# Altium PCB design.PcbDoc (part 3 of 4)
Units mil, origin at the board's own origin, x right, y up, seen from the top; angles counter-clockwise.
Board outline 4704.72 x 3503.94 mil, 6 copper layers (Top, GND, S3, S14, Power, Bottom), stack 57.09 mil thick; 326 components, 365 nets, 1536 pads, 493 vias.
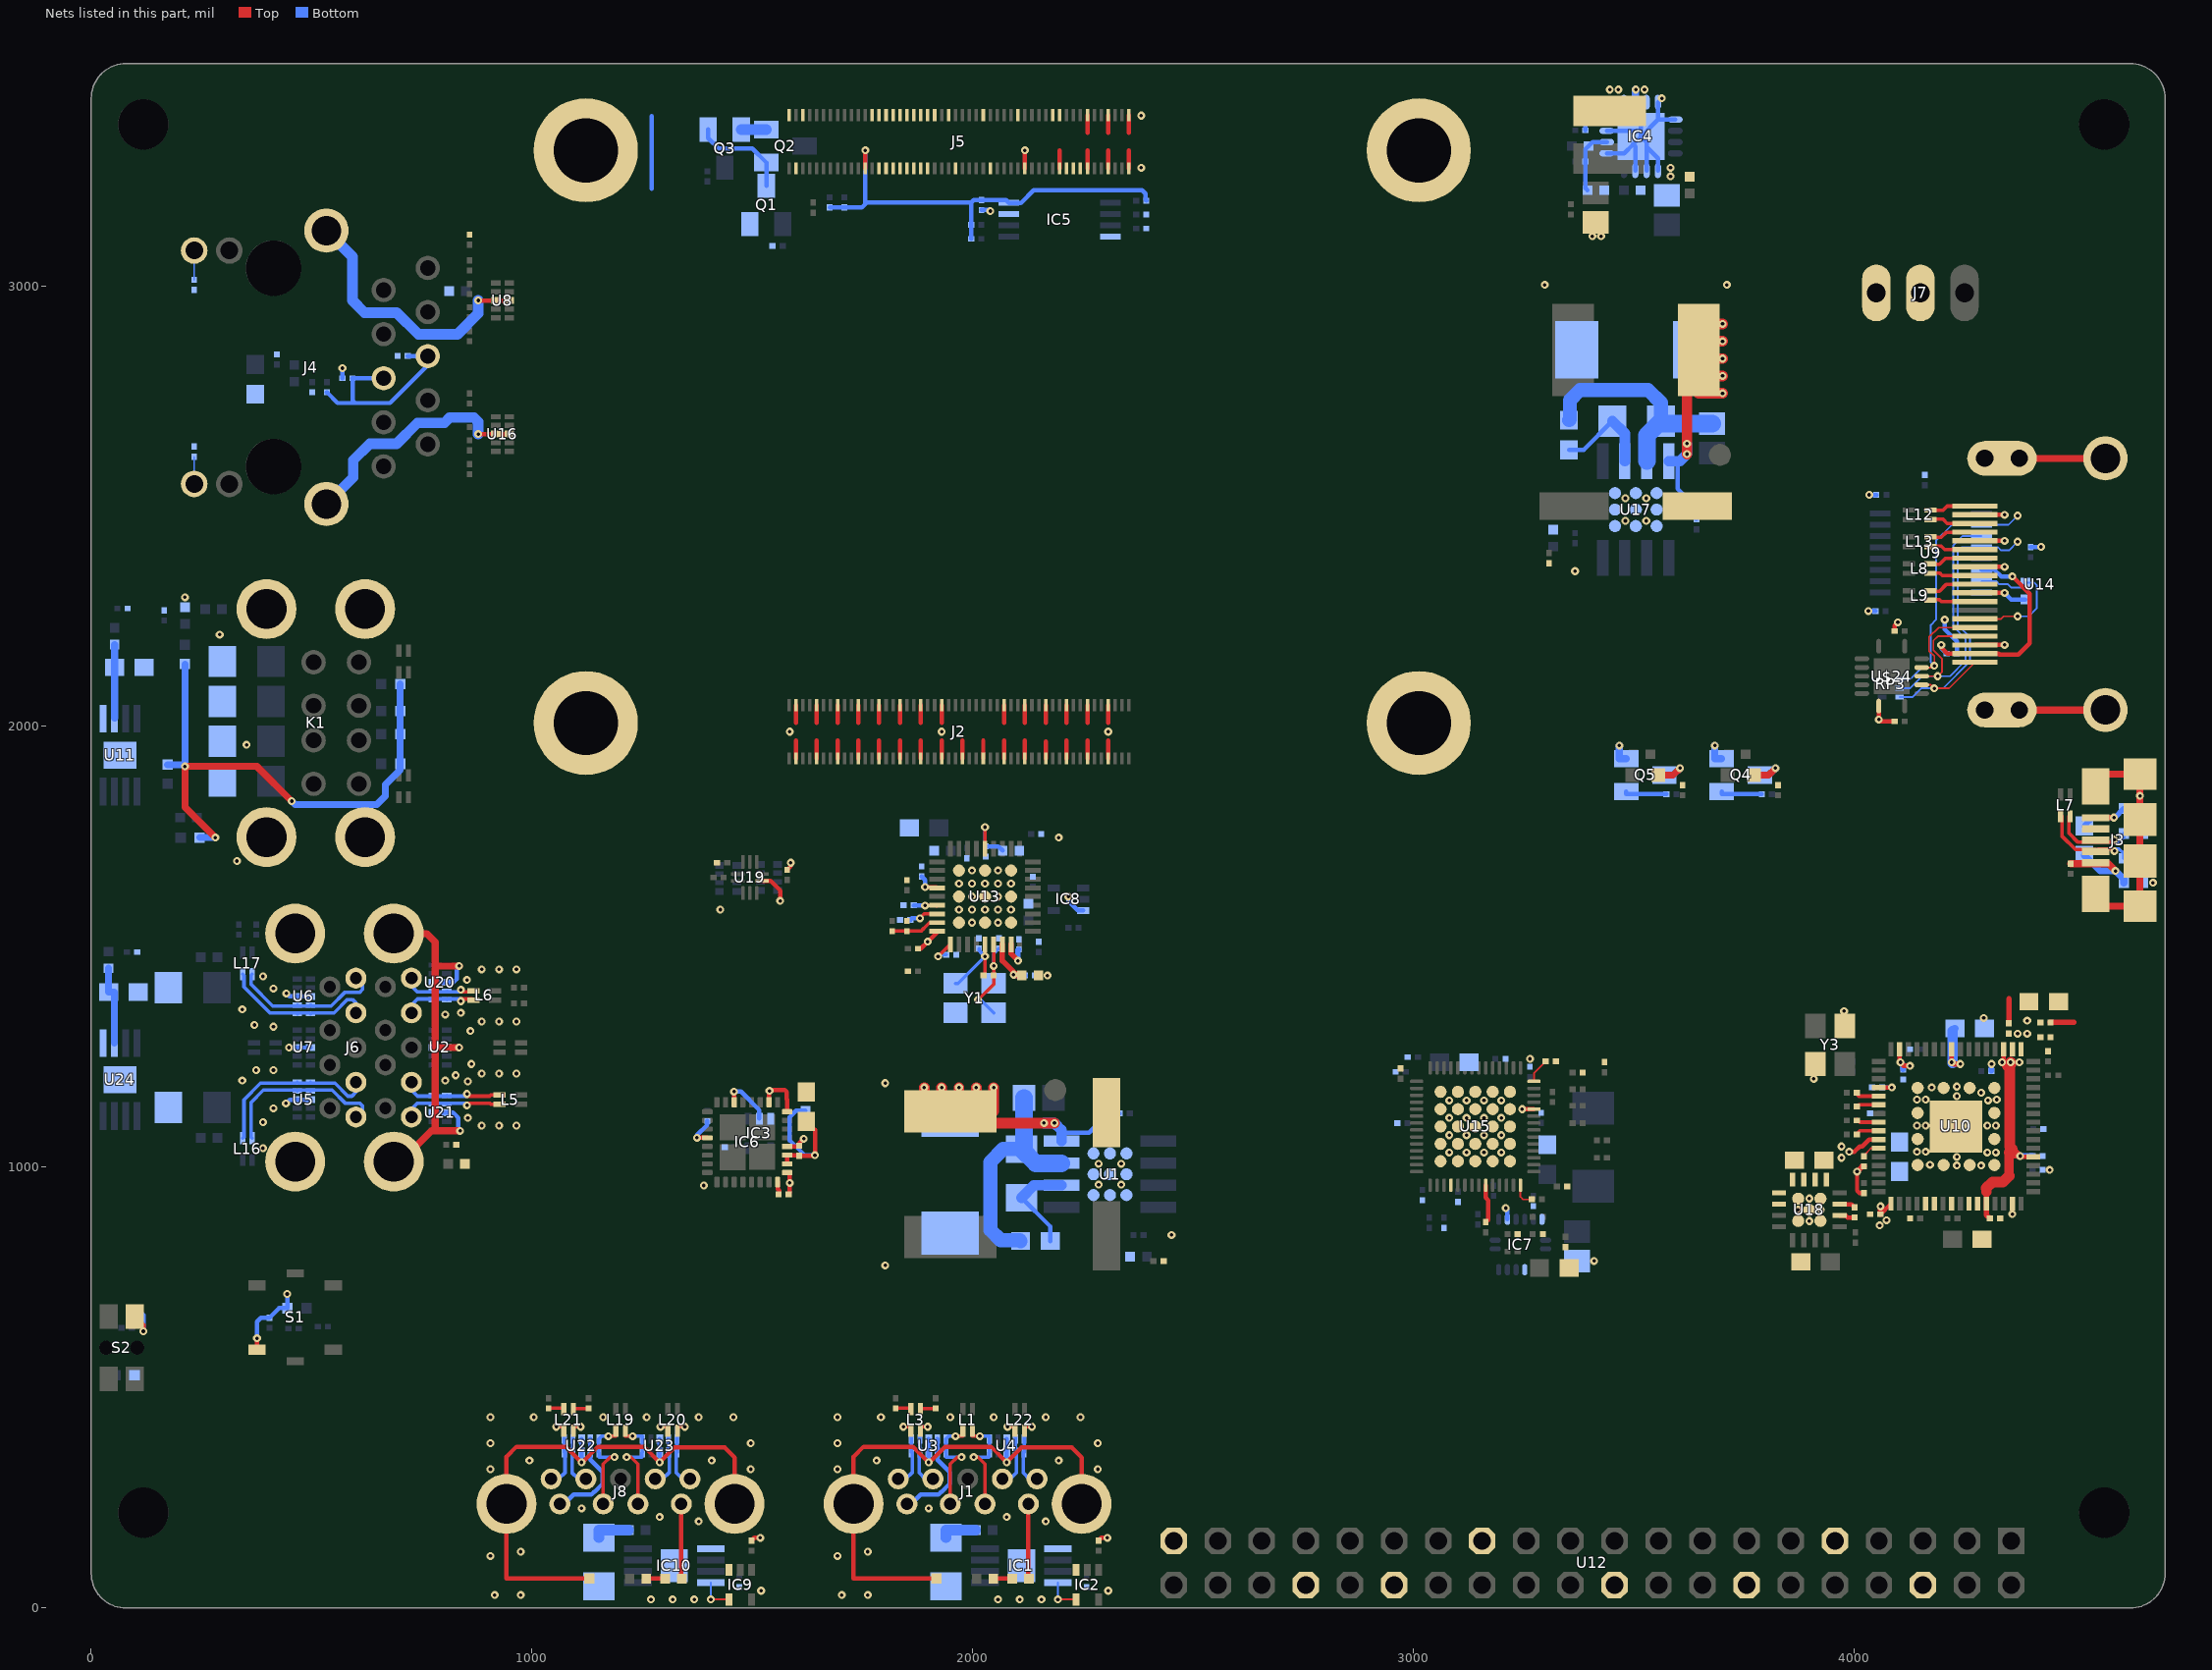
[diagram p5: the nets of this part, all layers, seen from the top]

## Via types
v1: diameter 18/18/18/18/18/18 (per signal layer), hole 8, Top to Bottom, 493 vias

## Nets (pads, with @x,y where several pads share a name; then routed paths per layer and width w, separated by ;. In a path a pad name is that pad's centre, name@x,y a point inside that pad or via, vN(x,y) a via of type N, cw(c..) or ccw(c..) an arc to the next point about the centre after c; other vN are vias at no path point) (continued)
COMMON_SHIELD: D2.P1 D3.P1 D4.P1 D5.P1 D6.P1 D7.P1 D9.P1 D10.P1 D11.P1 D12.P1 D15.P1 D16.P1 D17.P1 J1.SH1 J1.SH2 J3.COMMON_SHEILD1 J3.COMMON_SHEILD2 J3.COMMON_SHEILD3 J3.COMMON_SHEILD4 J3.COMMON_SHEILD5 J3.COMMON_SHEILD6 J4.15 J4.16 J6.S1 J6.S2 J6.S3 J6.S4 J8.SH1 J8.SH2 U2.3 U2.8 U3.3 U3.8 U4.3 U4.8 U5.3 U5.8 U6.3 U6.8 U7.3 U7.8 U8.3 U8.8 U14.G1 U14.G2 U14.G3 U14.G4 U16.3 U16.8 U20.3 U20.8 U21.3 U21.8 U22.3 U22.8 U23.3 U23.8 | length 7144.7
  Top w10: v1(877.95,2663.39) U16.8@948.23,2663.39 ; v1(877.95,2966.54) U8.8@948.23,2966.54 ; D16.P1@1129.92,66.93 942.13,66.93 942.13,343.7 964.57,366.14 1076.77,366.14 v1(1112.2,330.71) 1114.17,330.71 1149.61,366.14 1253.94,366.14 v1(1289.37,330.71) 1322.83,364.17 1437.01,364.17 1459.45,341.73 J8.SH2@1459.45,236.22 ; D17.P1@1917.33,66.93 1729.53,66.93 1729.53,343.7 1751.97,366.14 1864.17,366.14 v1(1899.61,330.71) 1901.57,330.71 1937.01,366.14 2041.34,366.14 v1(2076.77,330.71) 2110.24,364.17 2224.41,364.17 2246.85,341.73 J1.SH2@2246.85,236.22
  Top w16: v1(281.5,1748.03) 212.6,1816.93 v1(212.6,1909.45) 375.98,1909.45 v1(454.72,1830.71) ; J6.S4@686.22,1012.99 701.97,1012.99 771.65,1082.68 775.59,1082.68 ; J6.S3@686.22,1530.31 761.02,1530.32 780.12,1511.22 780.12,1456.69 ; v1(834.65,1271.65) 780.12,1271.65 ; v1(834.65,1456.69) 780.12,1456.69 ; v1(836.61,1082.68) 775.59,1082.68 ; U14.G4@4374.02,2037.4 U14.G1@4569.3,2037.4 ; U14.G3@4374.02,2608.26 U14.G2@4569.3,2608.26 ; J3.COMMON_SHEILD1@4547.24,1620.08 4547.24,1592.52 J3.COMMON_SHEILD3@4647.63,1592.52 v1(4647.64,1842.52) J3.COMMON_SHEILD6@4647.63,1891.74 4547.24,1891.73 J3.COMMON_SHEILD2@4547.24,1864.18 ; 775.59,1082.68 778.94,1086.02 780.12,1086.02 780.12,1271.65 ; 780.12,1271.65 780.12,1456.69
  Bottom w10: v1(441.73,1144.88) 450.39,1153.54 U5.8@497.44,1153.54 ; v1(442.52,1394.49) 449.21,1387.8 U6.3@497.44,1387.8 ; v1(448.82,1271.65) U7.3@497.44,1271.65 ; U21.3@776.18,1124.02 820.87,1124.02 832.68,1112.2 832.68,1086.61 v1(836.61,1082.68) ; U2.3@776.18,1271.65 v1(834.65,1271.65) ; U20.3@776.18,1419.29 820.87,1419.29 828.74,1427.17 828.74,1450.79 v1(834.65,1456.69) ; v1(1112.2,330.71) U22.8@1112.2,383.27 ; v1(1289.37,330.71) U23.8@1289.37,383.27 ; v1(1899.61,330.71) U3.8@1899.61,383.27 ; v1(2076.77,330.71) U4.8@2076.77,383.27
  Bottom w16: D7.P1@173.23,1913.38 208.66,1913.39 v1(212.6,1909.45) D4.P1@212.6,2141.74 ; D3.P1@246.06,1748.03 v1(281.5,1748.03) ; v1(454.72,1830.71) 462.6,1822.83 647.64,1822.83 667.32,1842.52 667.32,1868.11 700.79,1901.57 D5.P1@700.78,2096.46
  Bottom w24: J4.15@533.47,2504.92 534.45,2504.92 594.49,2564.96 594.49,2604.33 631.89,2641.73 692.91,2641.73 740.16,2688.98 801.18,2688.98 812.99,2700.79 868.11,2700.79 877.95,2690.94 v1(877.95,2663.39) ; J4.16@533.47,3125 592.52,3065.94 592.52,2966.54 620.08,2938.98 692.91,2938.98 742.13,2889.76 830.71,2889.76 877.95,2937.01 v1(877.95,2966.54)
  other v1: 4677.17,1645.67
CON_5V0$12: C94.1 U9.6 U14.18 | length 492.4
  Top w10: v1(4196.85,2185.04) 4196.85,2179.13 4210.63,2165.35 U14.18@4273.23,2165.35 4326.77,2165.35 4328.74,2163.39 4372.05,2163.39 4397.64,2188.98 4397.64,2301.18 v1(4358.27,2340.55)
  Bottom w10: v1(4196.85,2185.04) 4196.85,2177.48 C94.1@4208.97,2165.35 ; U9.6@4288.39,2355.31 4317.91,2355.32 4332.68,2340.55 v1(4358.27,2340.55)
CT0$4: C88.1 C90.1 J4.5 J4.6 R41.1 | length 471.6
  Bottom w10: R41.1@534.73,2758.27 R41.1@534.65,2758.19 558.97,2733.86 599.21,2733.86 ; C88.1@592.21,2789.76 C88.1@592.6,2790.16 ; J4.6@663.39,2790.16 C88.1@592.6,2790.16 ; C90.1@718.19,2840.55 762.99,2840.55 J4.5@763.39,2840.16 764.17,2839.37 764.17,2820.08 677.95,2733.86 599.21,2733.86 ; C88.1@592.6,2790.16 592.6,2740.47 599.21,2733.86
D_N$11: D10.P2 J3.P2 L7.1 | length 232.9
  Top w7.87: L7.1@4467.52,1796.26 4470.47,1796.26 4470.47,1751.66 4500.68,1721.46 4547.24,1721.46 J3.P2@4547.24,1720.39 ; J3.P2@4547.24,1716.54 4553.15,1722.44 4589.76,1722.44 v1(4589.76,1717.38)
  Top w10: J3.P2@4547.24,1716.54 J3.P2@4547.24,1720.39
  Bottom w7.87: v1(4589.76,1717.38) 4589.76,1722.44 4600.39,1722.44 4611.02,1711.81 D10.P2@4611.03,1701.38
D_P$11: D9.P2 J3.P3 L7.4 | length 204.1
  Top w7.87: L7.4@4489.18,1796.26 4486.22,1796.26 4486.22,1758.18 4507.2,1737.2 4547.24,1737.2 J3.P3@4547.24,1738.27 ; J3.P3@4547.24,1742.13 4551.18,1738.19 4589.76,1738.19 v1(4589.76,1743.25)
  Top w10: J3.P3@4547.24,1738.27 J3.P3@4547.24,1742.13
  Bottom w7.87: v1(4589.76,1743.25) 4589.76,1738.19 4600.39,1738.19 4611.02,1748.82 D9.P2@4611.03,1757.28
DDC_SCL$12: RP3.6 U9.2 U14.15 U$24.12 | length 805
  Top w4: U$24.12@4152.56,2133.86 4177.17,2133.86 v1(4181.1,2137.8) 4181.1,2159.45 4169.29,2171.26 4169.29,2202.76 4190.94,2224.41 U14.15@4273.23,2224.4
  Bottom w4: RP3.6@4102.37,2106.3 4125.98,2106.3 4153.54,2133.86 4177.17,2133.86 v1(4181.1,2137.8) 4173.23,2145.67 4173.23,2230.32 4185.04,2242.13 4185.04,2421.26 4221.46,2457.68 U9.2@4288.39,2457.68 4349.41,2457.68 v1(4370.08,2478.35)
DDC_SDA$12: RP3.7 U9.3 U14.16 U$24.11 | length 749
  Top w4: U$24.11@4152.56,2114.17 v1(4188.98,2114.17) 4198.82,2124.02 4198.82,2153.54 4179.13,2173.23 4179.13,2194.88 4188.98,2204.72 U14.16@4273.23,2204.72
  Bottom w4: RP3.7@4102.37,2086.62 4125.98,2086.61 4153.54,2114.17 v1(4188.98,2114.17) 4216.54,2114.17 4251.97,2149.61 4251.97,2198.82 4224.41,2226.38 4224.41,2411.42 4245.08,2432.09 U9.3@4288.39,2432.09
DS_LOAD$14: Q2.2 Q3.2 | length 57.1
  Bottom w24: Q3.2@1474.41,3354.33 Q2.2@1531.49,3354.33
DS_LOAD_1V8$14: 
EEPROM_!WP: J5.20
ETH_SYNC_IN: J5.16
ETH_SYNC_OUT: J5.18
FB_3.3$3: C93.2 IC4.10 R19.1 R22.2 | length 150.3
  Bottom w10: R22.2@3394.39,3216.54 3389.45,3221.47 C93.2@3389.45,3281.5 3389.45,3309.43 R19.1@3396.95,3316.93 3405.81,3325.79 IC4.10@3437.99,3325.78
FRAME$21: J7.1
FTDI_3.3_INT$1: C82.1 IC6.16 | length 30.8
  Top w10: IC6.16@1557.09,966.54 1557.09,950.79 1561.02,946.85 1561.02,938.98 C82.1@1559.37,938.98
GATE$9: Q4.1 R26.2 | length 96.8
  Bottom w10: Q4.1@3698.82,1852.36 3698.82,1846.46 R26.2@3789.68,1846.46
GATE$10: Q5.1 R40.2 | length 96.8
  Bottom w10: Q5.1@3482.28,1852.36 3482.28,1846.46 R40.2@3573.15,1846.46
GLOBAL_EN: J5.99
GND: C1.2 C2.2 C3.2 C4.2 C7.2 C12.2 C13.2 C14.2 C15.2 C16.2 C17.2 C18.2 C19.2 C20.2 C21.2 C22.2 C23.2 C24.2 C25.2 C26.2 C27.2 C28.2 C29.2 C30.2 C31.2 C32.2 C33.2 C34.2 C41.2 C42.2 C43.2 C44.2 C45.2 C46.2 C63.2 C64.2 C65.2 C66.2 C78.2 C79.- C80.2 C81.2 C82.2 C83.2 C84.2 C85.2 C86.2 C87.2 C88.2 C89.2 C90.2 C91.2 C92.2 C94.2 C95.2 C158.2 C167.2 C255.2 C256.2 C257.2 C258.2 C259.2 C260.2 C261.2 C262.2 C264.2 C265.2 C266.2 C267.2 C268.2 C269.2 C270.2 C271.2 C272.2 C274.2 C275.2 C276.2 C277.2 C278.2 C279.2 C280.2 C281.2 C282.2 C283.2 C284.2 C286.2 C287.2 C288.2 C289.2 C290.2 C291.2 C292.2 C293.2 C297.2 C298.2 C299.2 C300.2 C301.2 C302.2 C304.2 C305.2 C306.2 C307.2 C308.2 C309.2 C310.2 C313.2 C314.2 C316.2 C317.- C318.2 C319.2 D1.P1 D12.P2 D14.A D18.A D19.P1 FB2.1 FB3.1 FB12.1 FB15.1 FB19.1 FB20.1 IC1.1 IC1.TP IC2.3 IC3.3 IC4.1 IC4.5 IC4.6 IC4.7 IC4.9 IC4.11 IC4.12 IC4.16 IC4.P$1 IC5.4 IC5.7 IC6.4 IC6.17 IC6.20 IC6.24 IC6.26 IC7.2 IC7.6 IC7.11 IC8.3 IC9.3 IC10.1 IC10.TP J2.7 J2.8 J2.13 J2.14 J2.19 J2.20 J2.25 J2.26 J2.31 J2.32 J2.37 J2.38 J2.44 J2.50 J2.55 J2.56 J2.61 J2.62 J2.67 J2.68 J2.73 J2.74 J2.79 J2.80 J2.85 J2.86 J2.91 J2.92 J2.97 J2.98 J3.P5 J5.1 J5.2 J5.7 J5.8 J5.13 J5.14 J5.22 J5.23 J5.32 J5.33 J5.42 J5.43 J5.52 J5.53 J5.59 J5.60 J5.65 J5.66 J5.71 J5.74 J5.98 J7.2 K1.5 K1.6 K1.7 K1.8 MP1.1 MP2.1 MP3.1 MP4.1 Q1.2 Q4.2 Q5.2 R4.1 R5.1 R6.1 R7.1 R8.1 R10.1 R11.1 R16.1 R17.2 R22.1 R24.1 R25.1 R28.1 R30.1 R32.1 R38.1 R43.1 R51.1 R52.1 R53.1 R61.2 S1.A@1 S2.A@1 U1.6 U1.9 U1.PWRPAD1 U1.PWRPAD2 U1.PWRPAD3 U1.PWRPAD4 U1.PWRPAD5 U1.PWRPAD6 U1.PWRPAD7 U1.PWRPAD8 U9.8 U10.15 U10.65 U10.EPAD1 U10.EPAD2 U10.EPAD3 U10.EPAD4 U10.EPAD5 U10.EPAD6 U10.EPAD7 U10.EPAD8 U10.EPAD9 U10.EPAD10 U10.EPAD11 U10.EPAD12 U11.1 U11.TP U12.6 U12.9 U12.14 U12.20 U12.25 U12.30 U12.34 U12.39 U13.EPAD U13.EXP1 U13.EXP2 U13.EXP3 U13.EXP4 U13.EXP5 U13.EXP6 U13.EXP7 U13.EXP8 U14.2 U14.5 U14.8 U14.11 U14.17 U15.52 U15.P$1 U15.P$2 U15.P$3 U15.P$4 U15.P$5 U15.P$6 U15.P$7 U15.P$8 U15.P$9 U15.P$10 U15.P$11 U15.P$12 U15.P$13 U15.P$14 U15.P$15 U15.P$16 U15.P$17 U15.P$18 U15.P$19 U15.P$20 U15.P$21 U15.P$22 U15.P$23 U15.P$24 U15.P$25 U17.6 U17.9 U17.PWRPAD1 U17.PWRPAD2 U17.PWRPAD3 U17.PWRPAD4 U17.PWRPAD5 U17.PWRPAD6 U17.PWRPAD7 U17.PWRPAD8 U18.6 U18.EP U18.EP1 U18.EP2 U18.EP3 U18.EP4 U19.6 U24.1 U24.TP U$24.7 Y1.2 Y1.4 Y3.2 Y3.4 | length 4668
  Top w10: 375.98,586.61 v1(375.98,612.2) ; FB20.1@1259.16,66.93 FB19.1@1301.87,66.93 ; v1(1374.02,1066.93) IC6.4@1397.64,1066.93 ; C308.2@1498.03,153.23 1504.25,159.45 v1(1517.72,159.45) ; U19.6@1521.65,1649.61 1541.34,1649.61 1562.99,1627.95 v1(1562.99,1604.33) ; IC6.26@1537.4,1147.64 1537.4,1169.29 1543.31,1175.2 1573.62,1175.2 1577.95,1170.87 1577.95,1154.72 1578.74,1153.94 IC6.24@1578.74,1125.99 ; IC6.17@1578.74,988.19 1584.65,982.28 v1(1584.65,964.57) 1584.65,942.32 1582.37,940.04 C82.2@1582.37,938.98 ; IC6.20@1578.74,1047.25 1604.64,1047.24 C84.2@1606.3,1048.9 1606.3,1055.12 v1(1616.14,1064.96) ; R38.1@1578.74,1674.89 1586.61,1682.76 v1(1586.61,1690.94) ; J2.98@1598.42,1927.56 1598.43,1968.5 ; 1598.43,2007.87 J2.97@1598.42,2048.82 ; J2.92@1645.67,1927.56 1645.67,1968.5 ; 1645.67,2007.87 J2.91@1645.67,2048.82 ; J2.86@1692.91,1927.56 1692.91,1968.5 ; 1692.91,2007.87 J2.85@1692.91,2048.82 ; J2.80@1740.15,1927.56 1740.16,1968.5 ; 1740.16,2007.87 J2.79@1740.15,2048.82 ; J2.74@1787.4,1927.56 1787.4,1968.5 ; 1787.4,2007.87 J2.73@1787.4,2048.82 ; J2.68@1834.64,1927.56 1834.65,1968.5 ; 1834.65,2007.87 J2.67@1834.64,2048.82 ; J2.62@1881.89,1927.56 1881.89,1968.5 ; 1881.89,2007.87 J2.61@1881.89,2048.82 ; J2.56@1929.13,1927.56 1929.13,1968.5 ; 1929.13,2007.87 J2.55@1929.13,2048.82 ; J2.50@1976.37,1927.56 1976.38,1968.5 ; J2.44@2023.62,1927.56 2023.62,1968.5 ; FB3.1@2046.56,66.93 FB2.1@2089.27,66.93 ; J2.38@2070.86,1927.56 2070.87,1968.5 ; 2070.87,2007.87 J2.37@2070.86,2048.82 ; J2.32@2118.11,1927.56 2118.11,1968.5 ; 2118.11,2007.87 J2.31@2118.11,2048.82 ; J5.32@2118.11,3266.14 v1(2118.11,3307.09) ; J2.26@2165.35,1927.56 2165.35,1966.54 ; 2165.35,2007.87 J2.25@2165.35,2048.82 ; J5.22@2196.85,3266.14 2196.85,3307.09 ; J2.20@2212.59,1927.56 2212.6,1968.5 ; 2212.6,2007.87 J2.19@2212.59,2048.82 ; J2.14@2259.84,1927.56 2259.84,1968.5 ; 2259.84,2007.87 J2.13@2259.84,2048.82 ; J5.14@2259.84,3266.14 2259.84,3307.09 ; 2259.84,3346.46 J5.13@2259.84,3387.4 ; C4.2@2285.43,153.23 2291.65,159.45 v1(2305.12,159.45) ; J2.8@2307.08,1927.56 2307.09,1968.5 ; 2307.09,2007.87 J2.7@2307.08,2048.82 ; J5.8@2307.08,3266.14 2307.09,3307.09 ; 2307.09,3346.46 J5.7@2307.08,3387.4 ; J5.2@2354.33,3266.14 2354.33,3307.09 ; 2354.33,3346.46 J5.1@2354.33,3387.4 ; v1(3246.06,1131.89) U15.52@3272.83,1131.89 ; U18.6@3966.54,890.75 3967.52,889.76 3980.32,889.76 3983.94,886.14 C270.2@4000,886.14 ; v1(4005.91,990.16) 4005.91,946.85 4011.5,941.26 C41.2@4021.65,941.26 ; U$24.7@4055.12,2046.26 v1(4055.12,2015.75) 4059.06,2011.81 C95.2@4090.86,2011.81 ; C259.2@4090.86,2216.54 4090.86,2228.66 v1(4098.43,2236.22) ; U14.17@4273.23,2185.03 v1(4340.55,2185.04) ; U14.11@4273.23,2303.15 v1(4340.55,2303.15) ; U14.8@4273.23,2362.2 v1(4340.55,2362.2) ; U14.5@4273.23,2421.26 v1(4340.55,2421.26) ; U14.2@4273.23,2480.31 v1(4340.55,2480.32)
  Top w12: 98.43,661.42 118.11,641.73 v1(118.11,627.95) ; J3.P5@4547.24,1793.31 v1(4588.58,1793.31)
  Top w12.32: v1(4005.91,990.16) 4018.03,1002.28 R32.1@4021.65,1002.28 ; C281.2@4350.39,1326.46 4350.39,1381.89 ; C288.2@4444.57,1328.74 4498.03,1328.74
  Bottom w10: v1(375.98,612.2) 375.98,649.61 385.12,658.74 C1.2@404.33,658.74 425.9,680.32 D1.P1@445.28,680.32 445.28,711.81 v1(444.49,712.6) ; C88.2@569.6,2790.16 569.6,2812.91 v1(569.68,2812.99) ; v1(1374.02,1066.93) 1374.02,1072.83 1397.64,1096.46 C80.2@1397.64,1104.64 ; C260.2@2019.69,3171.57 2037.09,3171.57 v1(2039.37,3169.29) ; C13.2@2110.24,931.1 2175.2,866.14 C30.2@2175.19,832.68 ; v1(2216.54,1614.17) 2216.54,1604.33 2238.19,1582.68 IC8.3@2250,1582.68 ; v1(3208.66,907.48) 3212.6,903.54 IC7.2@3212.6,881.89 ; C255.2@3352.36,2627.96 3385.83,2627.95 C262.2@3450.79,2692.91 ; IC4.9@3437.99,3300.19 3477.36,3300.2 IC4.P$1@3498.03,3320.87 ; IC4.11@3437.99,3351.38 IC4.P$1@3515.75,3351.38 ; IC4.12@3437.99,3376.97 3515.75,3376.97 IC4.P$1@3515.75,3351.38 ; IC4.7@3502.95,3260.82 3502.95,3315.94 IC4.P$1@3498.03,3320.87 ; IC4.6@3528.54,3260.83 IC4.P$1@3528.54,3314.96 ; IC4.5@3554.14,3260.82 3554.13,3289.37 IC4.P$1@3528.54,3314.96 ; IC4.16@3554.14,3416.34 IC4.P$1@3554.13,3376.97 ; IC4.1@3593.51,3376.97 IC4.P$1@3554.13,3376.97 ; v1(4031.5,2261.81) C261.2@4047.56,2261.81 ; v1(4033.46,2525.59) C257.2@4049.52,2525.59 ; v1(4204.72,2242.13) 4204.72,2220.47 4232.28,2192.91 4232.28,2165.67 C94.2@4231.97,2165.35 ; v1(4340.55,2303.15) 4355.61,2288.09 R43.1@4387.8,2288.09 ; C258.2@4399.61,2407.17 4399.92,2407.48 v1(4423.23,2407.48) ; D12.P2@4609.25,1813.98 D12.P2@4611.03,1813.98 ; IC4.P$1@3498.03,3320.87 IC4.P$1@3515.75,3338.58 ; IC4.P$1@3515.75,3338.58 IC4.P$1@3515.75,3351.38 ; IC4.P$1@3515.75,3338.58 3528.54,3325.79 IC4.P$1@3528.54,3314.96 ; IC4.P$1@3515.75,3338.58 IC4.P$1@3554.13,3376.97
  Bottom w12: C319.2@111.5,670.47 118.11,663.86 v1(118.11,627.95) ; C89.2@4521.65,1774.6 4540.35,1793.31 v1(4588.58,1793.31) 4590.35,1793.31 D12.P2@4611.03,1813.98
  Bottom w12.32: C286.2@4310.71,1218.5 4310.71,1233.94 v1(4311.02,1234.25)
  Bottom w16: v1(3466.54,1956.69) 3466.54,1927.17 Q5.2@3482.28,1927.16 ; v1(3683.07,1956.69) 3683.07,1927.17 Q4.2@3698.82,1927.16
  Bottom w24: C13.2@2110.24,931.1 2138.39,959.25 U1.6@2201.18,959.25 ; C262.2@3450.79,2692.91 3478.94,2664.76 U17.6@3478.94,2601.97
  other v1: 1269.69,19.69 1318.9,19.69 1368.11,19.69 2057.09,19.69 2106.3,19.69 2155.51,19.69 915.35,29.53 974.41,29.53 1702.76,29.53 1761.81,29.53 1519.69,39.37 2307.09,39.37 905.51,118.11 1692.91,118.11 974.41,127.95 1761.81,127.95 1377.95,196.85 2165.35,196.85 1289.37,206.69 2076.77,206.69 1112.2,226.38 1899.61,226.38 905.51,314.96 1496.06,314.96 1692.91,314.96 2283.46,314.96 994.09,334.65 1407.48,334.65 1781.5,334.65 2194.88,334.65 905.51,374.02 1496.06,374.02 1692.91,374.02 2283.46,374.02 905.51,433.07 1003.94,433.07 1161.42,433.07 1259.84,433.07 1377.95,433.07 1456.69,433.07 1692.91,433.07 1791.34,433.07 1948.82,433.07 2047.24,433.07 2165.35,433.07 2244.09,433.07 1801.18,777.56 3409.45,787.4 2450.79,846.46 3897.64,877.95 4358.27,893.7 3872.05,903.54 3923.23,903.54 3897.64,929.13 1389.76,958.66 2285.43,960.63 2336.61,960.63 4442.91,994.09 4232.28,1003.94 4287.4,1003.94 4171.26,1005.91 2285.43,1007.87 2336.61,1007.87 4232.28,1023.62 3080.71,1033.46 3120.08,1033.46 3159.45,1033.46 3198.82,1033.46 4301.18,1033.46 4320.87,1033.46 4141.73,1035.43 4161.42,1035.43 389.76,1043.31 3080.71,1072.83 3120.08,1072.83 3159.45,1072.83 3198.82,1072.83 885.83,1094.49 925.2,1094.49 964.57,1094.49 4141.73,1094.49 4161.42,1094.49 4301.18,1094.49 4320.87,1094.49 389.76,1102.36 854.33,1112.2 3080.71,1112.2 3120.08,1112.2 3159.45,1112.2 3198.82,1112.2 413.39,1133.86 3080.71,1151.57 3120.08,1151.57 3159.45,1151.57 3198.82,1151.57 4303.15,1151.57 4141.73,1153.54 4161.42,1153.54 4322.83,1153.54 4232.28,1161.42 4287.4,1169.29 1538.58,1173.23 4175.2,1181.1 4232.28,1183.07 1801.18,1190.94 854.33,1194.88 342.52,1196.85 803.15,1196.85 3907.48,1200.79 826.77,1208.66 885.83,1212.6 925.2,1212.6 964.57,1212.6 374.02,1220.47 413.39,1220.47 862.2,1234.25 3263.78,1246.06 860.24,1309.06 413.39,1318.9 370.08,1322.83 885.83,1330.71 925.2,1330.71 964.57,1330.71 4293.31,1338.58 803.15,1346.46 838.58,1350.39 3976.38,1354.33 342.52,1358.27 413.39,1405.51 852.36,1425.2 389.76,1433.07 2169.29,1435.04 885.83,1448.82 925.2,1448.82 964.57,1448.82 1998.03,1555.12 2057.09,1555.12 1427.17,1584.65 1968.5,1584.65 1998.03,1584.65 2027.56,1584.65 2057.09,1584.65 2086.61,1584.65 1998.03,1614.17 2057.09,1614.17 1968.5,1643.7 1998.03,1643.7 2027.56,1643.7 2057.09,1643.7 2086.61,1643.7 1998.03,1673.23 2057.09,1673.23 330.71,1694.88 2194.88,1748.03 352.36,1958.66 1584.65,1988.19 1929.13,1988.19 2307.09,1988.19 291.34,2208.66 212.6,2293.31 3366.14,2352.36 3480.32,2466.54 3527.56,2466.54 3480.32,2517.72 3527.56,2517.72 3297.24,3001.97 3710.63,3001.97 3405.51,3112.2 3425.2,3112.2 3582.68,3248.03 2381.89,3267.72 3582.68,3267.72 2381.89,3385.83 3562.99,3425.2
GPIO_VREF$14: C260.1 IC5.8 J5.78 R44.2 R48.2 R54.1 R56.2 R57.2 | length 1003.9
  Top w10: J5.78@1755.9,3266.14 v1(1755.91,3307.09)
  Bottom w10: R48.2@1675.2,3177.48 R44.2@1708.66,3177.48 1708.97,3177.17 1748.03,3177.17 1755.91,3185.04 ; v1(1755.91,3307.09) 1755.91,3185.04 ; R56.2@1996.37,3106.3 R57.2@1996.37,3137.8 1996.06,3138.11 1996.06,3188.98 ; R54.1@2393.39,3192.91 2391.73,3194.57 2391.73,3208.66 2383.86,3216.54 2137.8,3216.54 2109.25,3187.99 IC5.8@2081.69,3188 2075.11,3194.57 C260.1@2019.69,3194.57 2001.66,3194.57 1996.06,3188.98 ; 1755.91,3185.04 1759.84,3188.98 1996.06,3188.98
HPD$12: RP3.8 U9.4 U14.19 U$24.10 | length 753.2
  Top w4: U$24.10@4152.56,2094.48 4173.23,2094.49 v1(4181.1,2086.61) 4214.17,2086.61 U14.19@4273.23,2145.66
  Bottom w4: RP3.8@4102.37,2066.93 4131.89,2066.93 4151.57,2086.61 v1(4181.1,2086.61) 4200.79,2086.61 4261.81,2147.64 4261.81,2202.76 4234.25,2230.32 4234.25,2397.64 4243.11,2406.5 U9.4@4288.39,2406.5 4325.79,2406.5 4332.68,2399.61 4350.39,2399.61 v1(4370.08,2419.29)
ID$11: J3.P4
LED-$9: D13.C Q4.3 | length 97.7
  Top w16: D13.C@3771.65,1889.76 3805.12,1889.76 v1(3820.87,1905.51)
  Bottom w16: Q4.3@3785.44,1889.76 3805.12,1889.76 v1(3820.87,1905.51)
LED-$10: D8.C Q5.3 | length 97.7
  Top w16: D8.C@3555.12,1889.76 3588.58,1889.76 v1(3604.33,1905.51)
  Bottom w16: Q5.3@3568.9,1889.76 3588.58,1889.76 v1(3604.33,1905.51)
LED_GREEN_N$4: J4.12 R24.2 | length 66.2
  Bottom w4: R24.2@233.46,3013.47 J4.12@233.47,3079.72
LED_YELLOW_P$4: J4.14 R25.2 | length 61.9
  Bottom w4: J4.14@233.47,2550.2 R25.2@233.46,2612.12
LOAD_GATE$14: Q1.3 Q2.1 Q3.1 | length 227.6
  Bottom w10: Q3.1@1399.61,3354.33 1399.61,3334.65 1423.23,3311.02 1500,3311.02 Q2.1@1531.49,3279.53 Q1.3@1531.5,3226.38
P1$15: 
P2$15: 
P3$15: 
P4$15: 
P5$15: 
P6$15: 
P7$15: 
P8$15: 
P9$15: 
P10$15: 
P11$15: 
P12$15: 
P13$15: 
P14$15: 
P15$15: 
P16$15: 
P17$15: 
P18$15: 
P19$15: 
P20$15: 
P21$15: 
P22$15: 
P23$15: 
P24$15: 
P25$15: 
P26$15: 
P27$15: 
P28$15: 
P29$15: 
P30$15: 
P31$15: 
P32$15: 
P33$15: 
P34$15: 
P35$15: 
P36$15: 
P37$15: 
P38$15: 
P39$15: 
P40$15: 
PCIE_RX0_N$16: C273.2 U10.57 | length 53.8
  Top w7.87: C273.2@4005.59,1074.8 4005.59,1076.46 4011.81,1082.68 U10.57@4055.11,1082.68
PCIE_RX0_P$16: C263.2 U10.56 | length 53.4
  Top w7.87: C263.2@4005.59,1108.58 C263.2@4005.59,1106.3 4007.87,1106.3 4011.81,1102.36 U10.56@4055.11,1102.36
PCIE_TX0_N$16: C253.2 U10.54 | length 51.2
  Top w7.87: C253.2@4005.59,1137.8 4005.91,1137.8 4009.84,1141.73 U10.54@4055.11,1141.73
PCIE_TX0_P$16: C254.2 U10.53 | length 54.9
  Top w7.87: C254.2@4005.59,1169.29 4005.59,1165.67 4009.84,1161.42 U10.53@4055.11,1161.42
PG_3.3$3: IC4.13 R20.1 | length 139.6
  Bottom w10: R20.1@3389.45,3352.36 3389.45,3395.36 3410.43,3416.34 IC4.13@3477.36,3416.34
PH$2: C315.2 D14.C L14.1 U17.8 | length 854.6
  Top w24: v1(3620.08,2618.11) v1(3620.08,2641.73) 3620.08,2782.7 L14.1@3646.44,2809.06 ; v1(3700.79,2755.91) 3664.96,2755.91 3646.44,2755.91 L14.1@3646.44,2795.28 ; v1(3700.79,2795.28) 3664.96,2795.28 L14.1@3646.44,2795.28 ; v1(3700.79,2834.65) 3664.96,2834.65 L14.1@3646.44,2834.65 ; v1(3700.79,2874.02) 3664.96,2874.02 L14.1@3646.44,2874.02 ; v1(3700.79,2913.39) 3664.96,2913.39 3646.44,2913.39 L14.1@3646.44,2874.02 ; L14.1@3646.44,2795.28 L14.1@3646.44,2809.06 ; L14.1@3646.44,2809.06 L14.1@3646.44,2834.65 ; L14.1@3646.44,2834.65 L14.1@3646.44,2854.33 L14.1@3646.44,2874.02
  Bottom w10: 3603.94,2601.97 3598.43,2596.46 3598.43,2539.37 3641.73,2496.06 C315.2@3641.73,2470.16
  Bottom w24: U17.8@3578.94,2601.97 3603.94,2601.97 v1(3620.08,2618.11) v1(3620.08,2641.73)
PH$24: C52.2 D18.C L2.1 U1.8 | length 854.6
  Top w24: v1(1889.76,1181.1) 1889.76,1145.27 1889.76,1126.75 L2.1@1929.13,1126.75 ; v1(1929.13,1181.1) 1929.13,1145.27 L2.1@1929.13,1126.75 ; v1(1968.5,1181.1) 1968.5,1145.27 L2.1@1968.5,1126.75 ; v1(2007.87,1181.1) 2007.87,1145.27 L2.1@2007.87,1126.75 ; v1(2047.24,1181.1) 2047.24,1145.27 2047.24,1126.75 L2.1@2007.87,1126.75 ; v1(2185.04,1100.39) v1(2161.42,1100.39) 2020.45,1100.39 L2.1@1994.09,1126.75 ; L2.1@1929.13,1126.75 L2.1@1948.82,1126.75 L2.1@1968.5,1126.75 ; L2.1@1968.5,1126.75 L2.1@1994.09,1126.75 ; L2.1@1994.09,1126.75 L2.1@2007.87,1126.75
  Bottom w10: 2201.18,1084.25 2206.69,1078.74 2263.78,1078.74 2307.09,1122.05 C52.2@2332.99,1122.05
  Bottom w24: v1(2161.42,1100.39) v1(2185.04,1100.39) 2201.18,1084.25 U1.8@2201.18,1059.25
PI_!LED_ACT: J5.21
PI_LED_!PWR: J5.95
RBIAS$19: R16.2 U15.56 | length 56.3
  Top w4: U15.56@3272.83,1194.88 3272.83,1213.47 R16.2@3299.52,1240.16
RESET_N$19: R14.1 U15.42 | length 54.7
  Top w4: U15.42@3242.12,959.45 3242.13,933.07 3248.03,927.17 R14.1@3268.03,927.17
REXT$16: R32.2 U10.59 | length 42.3
  Top w4: R32.2@4021.65,1025.28 4021.65,1027.56 4037.4,1043.31 U10.59@4055.11,1043.31
RPIBOOT_SWITCH$14:  | length 164.7
  Bottom w10: 1271.65,3220.16 1271.65,3384.84
RX_SW$1: IC3.2 IC6.30 | length 118.6
  Top w4: IC6.30@1458.66,1147.64 IC6.30@1458.66,1152.36
  Top w10: v1(1458.27,1171.65) 1458.27,1152.76 IC6.30@1458.66,1152.36
  Bottom w10: v1(1458.27,1171.65) 1474.02,1171.65 1515.75,1129.92 IC3.2@1515.75,1110.23
SD_CLK: J5.57
SD_CMD: J5.62
SD_DAT0: J5.63
SD_DAT1: J5.67
SD_DAT2: J5.69
SD_DAT3: J5.61
SD_DAT4: J5.68
SD_DAT5: J5.64
SD_DAT6: J5.72
SD_DAT7: J5.70
SD_PWR_ON: J5.75
SD_VDD_OV: J5.73
SD_WP: 
SPI_CLK$16: U10.5
SPI_DI$16: U10.8
SPI_DO$16: U10.6
SSRX1_CUTOUT$20: 
SSRX1_N$20: J6.5 L16.4 U5.4 U5.7 | length 396
  Bottom w7.87: L16.4@365.16,1065.94 362.2,1068.9 362.2,1146.74 390.66,1175.2 464.96,1175.2 466.93,1173.23 U5.4@467.12,1173.23 469.09,1175.2 495.67,1175.2 497.44,1173.43 U5.7@497.44,1173.23 497.64,1173.23 499.61,1175.2 546.34,1175.2 575.87,1145.67 608.66,1145.67 614.96,1139.37 614.96,1128.74 J6.5@600.4,1114.17
SSRX1_P$20: J6.6 L16.1 U5.5 U5.6 | length 399.9
  Bottom w7.87: L16.1@343.5,1065.94 346.46,1068.9 346.46,1153.26 384.14,1190.94 464.96,1190.94 466.93,1192.91 U5.5@467.12,1192.91 469.09,1190.94 495.67,1190.94 497.44,1192.72 U5.6@497.44,1192.91 497.64,1192.91 499.61,1190.94 552.87,1190.94 582.4,1161.42 591.34,1161.42 600.39,1170.47 J6.6@600.4,1192.91
SSRX2_CUTOUT$20: 
SSRX2_N$20: J6.14 L5.4 U21.4 U21.7 | length 237.8
  Top w7.87: v1(852.36,1140.61) 852.36,1145.67 903.54,1145.67 906.5,1142.72 L5.4@926.18,1142.71
  Bottom w7.87: J6.14@726.38,1114.17 726.38,1131.89 740.16,1145.67 774.21,1145.67 U21.4@776.18,1143.71 779.53,1143.7 781.5,1145.67 804.53,1145.67 U21.7@806.5,1143.71 807.09,1143.7 809.06,1145.67 852.36,1145.67 v1(852.36,1140.61)
SSRX2_P$20: J6.15 L5.1 U21.5 U21.6 | length 237.8
  Top w7.87: v1(852.36,1166.48) 852.36,1161.42 903.54,1161.42 906.5,1164.37 L5.1@926.18,1164.37
  Bottom w7.87: J6.15@726.38,1192.91 726.38,1175.2 740.16,1161.42 774.21,1161.42 U21.5@776.18,1163.39 779.53,1163.39 781.5,1161.42 804.53,1161.42 U21.6@806.5,1163.39 807.09,1163.39 809.06,1161.42 852.36,1161.42 v1(852.36,1166.48)
SSTX1_CUTOUT$20: 
SSTX1_N$20: J6.8 L17.4 U6.5 U6.6 | length 351.7
  Bottom w7.87: L17.4@343.5,1437.99 346.46,1435.04 346.46,1409.34 405.4,1350.39 466.14,1350.39 U6.6@467.62,1348.92 ; J6.8@600.4,1350.39 600.39,1372.83 592.52,1380.71 581.21,1380.71 550.9,1350.39 500.39,1350.39 498.62,1348.62 497.64,1348.62 U6.5@497.44,1348.43 497.24,1348.43 495.28,1350.39 469.09,1350.39 U6.6@467.62,1348.92 ; U6.6@467.62,1348.92 U6.6@467.12,1348.43 468.11,1348.43 U6.6@467.62,1348.92
SSTX1_P$20: J6.9 L17.1 U6.4 U6.7 | length 350.2
  Bottom w7.87: L17.1@365.16,1437.99 362.2,1435.04 362.2,1415.86 411.92,1366.14 466.14,1366.14 U6.7@467.62,1367.62 ; J6.9@600.4,1429.13 615.75,1413.78 615.75,1403.54 608.66,1396.46 574.69,1396.46 544.38,1366.14 500.39,1366.14 498.62,1367.91 497.64,1367.91 U6.4@497.44,1368.11 497.24,1368.11 495.28,1366.14 469.09,1366.14 U6.7@467.62,1367.62 ; U6.7@467.62,1367.62 468.11,1368.11 U6.7@467.12,1368.11 U6.7@467.62,1367.62
SSTX2_CUTOUT$20: 
SSTX2_N$20: J6.17 L6.4 U20.1 U20.10 | length 179.1
  Top w7.87: v1(838.58,1376.83) 838.58,1381.89 864.17,1381.89 L6.4@867.12,1378.93
  Bottom w7.87: J6.17@726.38,1350.39 726.38,1368.11 740.16,1381.89 774.21,1381.89 U20.1@776.18,1379.92 776.18,1380.51 777.56,1381.89 804.53,1381.89 U20.10@806.5,1379.92 807.09,1379.92 809.06,1381.89 838.58,1381.89 v1(838.58,1376.83)
SSTX2_P$20: J6.18 L6.1 U20.2 U20.9 | length 179.1
  Top w7.87: v1(838.58,1402.7) 838.58,1397.64 864.17,1397.64 L6.1@867.12,1400.59
  Bottom w7.87: J6.18@726.38,1429.13 726.38,1411.42 740.16,1397.64 774.21,1397.64 U20.2@776.18,1399.6 776.18,1399.02 777.56,1397.64 804.53,1397.64 U20.9@806.5,1399.6 807.09,1399.61 809.06,1397.64 838.58,1397.64 v1(838.58,1402.7)
SW_3.3$3: IC4.14 IC4.15 L15.1 | length 29.5
  Bottom w10: v1@3502.95,3444.88 v1(3503.94,3444.88)
  Bottom w16: IC4.14@3502.95,3416.34 v1@3502.95,3444.88
  other v1: 3444.88,3444.88 3464.57,3444.88 3523.62,3444.88
TXD0_CONN_N$12: L8.1 U14.9 | length 103.8
  Top w7.87: L8.1@4172.25,2347.44 4173.23,2348.43 4192.91,2348.43 4198.82,2342.52 U14.9@4273.23,2342.52
TXD0_CONN_P$12: L8.4 U14.7 | length 107.1
  Top w7.87: L8.4@4172.25,2369.1 4173.23,2368.11 4192.91,2368.11 4206.69,2381.89 U14.7@4273.23,2381.89
TXD1_CONN_N$12: L13.1 U14.6 | length 104.7
  Top w7.87: L13.1@4172.25,2408.46 4173.23,2409.45 4196.85,2409.45 4204.72,2401.57 U14.6@4273.23,2401.57
TXD1_CONN_P$12: L13.4 U14.4 | length 106.3
  Top w7.87: L13.4@4172.25,2430.12 4173.23,2429.13 4196.85,2429.13 4208.66,2440.94 U14.4@4273.23,2440.94
TXD2_CONN_N$12: L12.1 U14.3 | length 105.5
  Top w7.87: L12.1@4172.25,2469.49 4173.23,2470.47 4200.79,2470.47 4210.63,2460.63 U14.3@4273.23,2460.63
TXD2_CONN_P$12: L12.4 U14.1 | length 105.5
  Top w7.87: L12.4@4172.24,2491.14 4173.23,2490.16 4200.79,2490.16 4210.63,2500 U14.1@4273.23,2500
TXDC_CONN_N$12: L9.1 U14.12 | length 103
  Top w7.87: L9.1@4172.25,2286.41 4173.23,2287.4 4192.91,2287.4 4196.85,2283.46 U14.12@4273.23,2283.46
TXDC_CONN_P$12: L9.4 U14.10 | length 107.9
  Top w7.87: L9.4@4172.25,2308.07 4173.23,2307.09 4192.91,2307.09 4208.66,2322.83 U14.10@4273.23,2322.83
UART_RX$16: U10.10
UART_TX$16: U10.11
USB_CAP_SSTX_N$22: C311.2 L21.3 | length 37.3
  Top w7.87: L21.3@1093.5,454.13 L21.3@1093.51,451.78 1094.8,453.07 C311.2@1127.95,453.07
USB_CAP_SSTX_N$23: C5.2 L3.3 | length 37.3
  Top w7.87: L3.3@1880.91,454.13 L3.3@1880.91,451.78 1882.2,453.07 C5.2@1915.35,453.07
USB_CAP_SSTX_P$22: C312.2 L21.2 | length 37.2
  Top w7.87: C312.2@1037.4,453.07 1038.47,454.13 1071.85,454.13 L21.2@1071.85,451.78
USB_CAP_SSTX_P$23: C6.2 L3.2 | length 37.2
  Top w7.87: C6.2@1824.8,453.07 1825.87,454.13 1859.25,454.13 L3.2@1859.25,451.78
USB_CRFILT$18: C14.1 C313.1 U13.14 | length 135.7
  Top w8: U13.14@2027.56,1722.44 v1(2027.56,1771.65)
  Bottom w8: C14.1@2027.56,1730 v1(2027.56,1771.65)
  Bottom w10: C14.1@2027.56,1730 C14.1@2029.53,1728.04 2058.08,1728.04 C313.1@2067.61,1718.5
USB_HS_IND$18: R6.2 U13.25 | length 67
  Top w8: v1(1879.92,1564.96) 1889.76,1574.8 U13.25@1919.29,1574.8
  Bottom w10: R6.2@1857.96,1561.02 1861.89,1564.96 v1(1879.92,1564.96)
USB_NRESET$18: C12.1 R64.1 U13.26 | length 117.8
  Top w7.87: C12.1@1850.39,1535.74 1882.2,1535.74 1887.13,1540.68 ; 1886.51,1540.06 1887.13,1540.68 ; 1887.8,1541.34 1887.13,1540.68 ; 1891.73,1545.28 1887.13,1540.68
  Top w8: R64.1@1816.93,1535.74 C12.1@1850.39,1535.74 ; 1887.8,1541.34 1891.73,1545.28 1901.57,1555.12 U13.26@1919.29,1555.11
USB_PLLFILT$18: C15.1 C290.1 U13.34 | length 125.4
  Top w12: U13.34@2066.93,1505.9 2066.93,1468.5 2092.52,1442.91 v1(2092.52,1437.01)
  Top w16: v1(2092.52,1437.01) 2108.95,1437.01 C15.1@2110.92,1435.04
  Bottom w12: v1(2092.52,1437.01) 2094.49,1435.04 C290.1@2118.42,1435.04
USB_RBIAS$18: R4.2 U13.35 | length 70.7
  Top w12: U13.35@2086.62,1505.9 2086.61,1484.25 v1(2102.36,1468.5)
  Bottom w12: v1(2102.36,1468.5) 2102.36,1492.44 R4.2@2104.33,1494.41
USB_SCL$18: R5.2 U13.24 | length 55.9
  Top w8: v1(1891.73,1593.9) U13.24@1918.7,1593.9 ; U13.24@1917.32,1592.52 U13.24@1918.7,1593.9 ; U13.24@1919.29,1594.48 U13.24@1918.7,1593.9
  Bottom w10: R5.2@1865.83,1594.49 1866.42,1593.9 v1(1891.73,1593.9)
USB_SDA$18: R8.2 U13.22 | length 55.6
  Top w8: v1(1891.73,1635.83) 1917.32,1635.83 U13.22@1919.29,1633.86
  Bottom w10: R8.2@1883.86,1659.76 1891.73,1651.89 v1(1891.73,1635.83)
USB_SSRX_N$22: J8.SSRX- L20.4 U23.1 U23.10 | length 187
  Top w7.87: L20.4@1329.73,402.56 1329.72,411.42 v1(1346.46,411.42)
  Bottom w7.87: v1(1346.46,411.42) 1328.74,411.42 U23.10@1328.74,383.27 U23.1@1328.74,352.95 1326.77,352.95 1326.77,307.09 1340.94,292.91 J8.SSRX-@1358.27,292.91
USB_SSRX_N$23: J1.SSRX- L22.4 U4.1 U4.10 | length 187
  Top w7.87: L22.4@2117.13,402.56 2117.13,411.42 v1(2133.86,411.42)
  Bottom w7.87: v1(2133.86,411.42) 2116.14,411.42 U4.10@2116.14,383.27 U4.1@2116.14,352.95 2114.17,352.95 2114.17,307.09 2128.35,292.91 J1.SSRX-@2145.67,292.91
USB_SSRX_P$22: J8.SSRX+ L20.1 U23.2 U23.9 | length 187
  Top w7.87: v1(1291.34,411.42) 1308.07,411.42 L20.1@1308.07,402.56
  Bottom w7.87: J8.SSRX+@1279.53,292.91 1296.85,292.91 1311.02,307.09 1311.02,352.95 U23.2@1309.06,352.95 U23.9@1309.06,383.27 1309.06,411.42 v1(1291.34,411.42)
USB_SSRX_P$23: J1.SSRX+ L22.1 U4.2 U4.9 | length 187
  Top w7.87: v1(2078.74,411.42) 2095.47,411.42 L22.1@2095.47,402.56
  Bottom w7.87: J1.SSRX+@2066.93,292.91 2084.25,292.91 2098.43,307.09 2098.43,352.95 U4.2@2096.46,352.95 U4.9@2096.46,383.27 2096.46,411.42 v1(2078.74,411.42)
USB_SSTX_N$22: J8.SSTX- L21.4 U22.4 U22.7 | length 187
  Top w7.87: L21.4@1093.51,402.56 1093.5,411.42 v1(1110.24,411.42)
  Bottom w7.87: v1(1110.24,411.42) 1092.52,411.42 U22.4@1092.51,352.95 1090.55,352.95 1090.55,307.09 1104.72,292.91 J8.SSTX-@1122.05,292.91
USB_SSTX_N$23: J1.SSTX- L3.4 U3.4 U3.7 | length 187
  Top w7.87: L3.4@1880.91,402.56 1880.91,411.42 v1(1897.64,411.42)
  Bottom w7.87: v1(1897.64,411.42) 1879.92,411.42 U3.7@1879.92,383.27 U3.4@1879.92,352.95 1877.95,352.95 1877.95,307.09 1892.13,292.91 J1.SSTX-@1909.45,292.91
USB_SSTX_P$22: J8.SSTX+ L21.1 U22.5 U22.6 | length 187
  Top w7.87: v1(1055.12,411.42) 1071.85,411.42 L21.1@1071.85,402.56
  Bottom w7.87: J8.SSTX+@1043.31,292.91 1060.63,292.91 1074.8,307.09 1074.8,352.95 U22.5@1072.83,352.95 U22.6@1072.83,383.27 1072.83,411.42 v1(1055.12,411.42)
USB_SSTX_P$23: J1.SSTX+ L3.1 U3.5 U3.6 | length 187
  Top w7.87: v1(1842.52,411.42) 1859.25,411.42 L3.1@1859.25,402.56
  Bottom w7.87: J1.SSTX+@1830.71,292.91 1848.03,292.91 1862.2,307.09 1862.2,352.95 U3.5@1860.24,352.95 U3.6@1860.24,383.27 1860.24,411.42 v1(1842.52,411.42)
USB_SUSP_IND$18: R7.2 U13.28 | length 58.6
  Top w8: v1(1921.26,1478.35) U13.28@1948.82,1505.9
  Bottom w8: v1(1921.26,1478.35) 1925.2,1482.28 R7.2@1939.29,1482.28
USB_VBUS_DET$18: R63.2 U13.27 | length 61.1
  Top w10: R63.2@1875.67,1496.06 1881.89,1496.06 v1(1897.64,1511.81) 1919.29,1533.46 U13.27@1919.29,1535.43
USB_XTAL1$18: C302.1 R62.2 U13.33 Y1.3 | length 233.2
  Top w8: v1(2011.81,1379.92) 2047.24,1415.35 R62.2@2047.24,1435.04 ; R62.2@2046.93,1435.04 R62.2@2047.24,1435.04 ; U13.33@2047.25,1505.9 v1(2047.24,1456.69) R62.2@2047.24,1435.04
  Bottom w7.87: v1(2047.24,1456.69) 2047.24,1484.56 C302.1@2059.06,1496.37
  Bottom w8: v1(2011.81,1379.92) 2017.72,1379.92 Y1.3@2047.25,1350.4
USB_XTAL2$18: C301.1 R62.1 U13.32 Y1.1 | length 207.3
  Top w8: R62.1@2023.93,1435.04 2027.56,1435.04 v1(2027.56,1478.35) U13.32@2027.56,1505.9
  Bottom w7.87: C301.1@2013.78,1496.37 2013.78,1492.13 v1(2027.56,1478.35) 2017.03,1488.87
  Bottom w8: Y1.1@1960.63,1417.32 1966.54,1417.32 v1(2027.56,1478.35) v1@2025.59,1478.35
USBH4_PCTL$19: U15.32
USBH_CPEN_3V$22: IC9.4 IC10.4 | length 79.7
  Top w4: v1(1405.51,19.69) IC9.4@1446.85,19.69
  Bottom w4: v1(1405.51,19.69) IC10.4@1405.51,58.07
USBH_CPEN_3V$23: IC1.4 IC2.4 | length 79.7
  Top w4: v1(2192.91,19.69) IC2.4@2234.25,19.69
  Bottom w4: v1(2192.91,19.69) IC1.4@2192.92,58.07
USBH_D_N$22: J8.D- L19.1 U22.1 U22.10 | length 252.4
  Top w7.87: J8.D-@1161.42,236.22 1161.42,326.77 1177.17,342.52 v1(1187.01,342.52) ; v1(1173.23,389.76) 1189.96,389.76 L19.1@1189.96,402.56
  Bottom w7.87: v1(1173.23,389.76) 1158.07,389.76 U22.10@1151.57,383.27 U22.1@1151.57,352.95 1152.17,352.36 1152.17,342.52 v1(1187.01,342.52)
USBH_D_N$23: J1.D- L1.1 U3.1 U3.10 | length 252.4
  Top w7.87: J1.D-@1948.82,236.22 1948.82,326.77 1964.57,342.52 v1(1974.41,342.52) ; v1(1960.63,389.76) 1977.36,389.76 L1.1@1977.36,402.56
  Bottom w7.87: v1(1960.63,389.76) 1945.47,389.76 U3.10@1938.98,383.27 U3.1@1938.98,352.95 1939.57,352.36 1939.57,342.52 v1(1974.41,342.52)
USBH_D_P$22: J8.D+ L19.4 U23.5 U23.6 | length 256.2
  Top w7.87: L19.4@1211.62,402.56 1211.61,389.76 v1(1228.35,389.76) ; v1(1214.57,342.52) 1224.41,342.52 1240.16,326.77 J8.D+@1240.16,236.22
  Bottom w7.87: v1(1214.57,342.52) 1249.41,342.52 1249.41,352.36 U23.5@1250,352.95 U23.6@1250,383.27 1250,389.76 v1(1228.35,389.76)
USBH_D_P$23: J1.D+ L1.4 U4.5 U4.6 | length 256.2
  Top w7.87: L1.4@1999.02,402.56 1999.02,389.76 v1(2015.75,389.76) ; v1(2001.97,342.52) 2011.81,342.52 2027.56,326.77 J1.D+@2027.56,236.22
  Bottom w7.87: v1(2001.97,342.52) 2036.81,342.52 2036.81,352.36 U4.5@2037.4,352.95 U4.6@2037.4,383.27 2037.4,389.76 v1(2015.75,389.76)
USBH_GND$22: FB19.2 J8.GND | length 169.8
  Top w10: J8.GND@1338.59,236.22 1338.58,68.21 FB19.2@1339.87,66.93
USBH_GND$23: FB2.2 J1.GND | length 169.8
  Top w10: J1.GND@2125.99,236.22 2125.98,68.21 FB2.2@2127.27,66.93
USBH_VBUSF$22: C310.1 FB18.2 J8.VBUS U22.2 U22.9 | length 313.7
  Bottom w10: J8.VBUS@1062.99,236.22 1072.83,236.22 1094.49,257.87 1134.84,257.87 1139.76,262.8 1140.75,262.8 1159.45,281.5 1159.45,309.06 1147.64,320.87 1131.89,336.61 U22.2@1131.89,352.95 U22.9@1131.89,383.27
  Bottom w24: C310.1@1151.57,159.45 1151.57,177.17 FB18.2@1219.19,177.17
USBH_VBUSF$23: C2.1 FB1.2 J1.VBUS U3.2 U3.9 | length 313.7
  Bottom w10: J1.VBUS@1850.39,236.22 1860.24,236.22 1881.89,257.87 1922.24,257.87 1927.17,262.8 1928.15,262.8 1946.85,281.5 1946.85,309.06 1935.04,320.87 1919.29,336.61 U3.9@1919.3,383.27
  Bottom w24: C2.1@1938.98,159.45 1938.98,177.17 FB1.2@2006.59,177.17
UTIL$12: R43.2 U9.7 U14.14 | length 341.7
  Top w4: U14.14@4273.23,2244.09 4332.68,2244.09 4338.58,2250 v1(4370.08,2250)
  Bottom w4: U9.7@4288.39,2329.72 4321.85,2329.72 4328.74,2322.83 4348.43,2322.83 4356.3,2314.96 4377.95,2314.96 4387.8,2324.8 R43.2@4387.8,2326.09 4408.17,2326.09 4413.39,2320.87 4413.39,2267.72 4395.67,2250 v1(4370.08,2250)
V1.2$16: C43.1 C44.1 C46.1 C167.1 C264.1 C265.1 C266.1 C281.1 C282.1 C283.1 C288.1 C289.1 U10.1 U10.12 U10.21 U10.33 U10.34 U10.35 U10.41 U10.47 U10.52 U10.58 U18.9 U18.10 U18.11 U18.12 U18.13 U18.14 | length 978.8
  Top w10: v1(3988.19,1035.43) 4000,1035.43 4011.81,1047.24 4017.72,1047.24 4033.46,1062.99 U10.58@4055.11,1062.99 ; U10.52@4055.11,1181.1 v1(4084.65,1181.1) ; C44.1@4058.74,893.7 4059.06,893.7 U10.1@4082.67,917.32 ; U10.47@4102.36,1267.72 4102.36,1240.16 v1(4104.33,1238.19) ; v1(4220.47,1238.19) U10.41@4220.47,1267.72 ; v1(4334.65,1238.19) 4338.58,1242.13 U10.35@4338.58,1267.72 ; v1(4375.98,1025.59) 4377.95,1023.62 U10.21@4405.51,1023.62
  Top w12: v1(4104.33,1238.19) 4112.2,1230.32 v1(4125.98,1230.32)
  Top w12.32: C44.1@4059.06,893.7 v1(4059.06,911.42) ; v1(4220.47,1238.19) 4224.41,1234.25 v1(4240.16,1234.25) ; 4299.21,944.88 4299.21,892.04 C266.1@4307.4,883.86 ; 4358.27,1025.59 4374.02,1025.59 v1(4375.98,1025.59)
  Top w16: v1(4354.33,1238.19) cw(c4353.35,1233.27) v1@4358.27,1232.28 ; 4358.27,1041.34 v1@4374.02,1025.59
  Top w20.67: 4350.39,980.32 4350.39,1033.46
  Top w24: 4299.21,944.88 4299.21,952.76 ; 4350.39,1033.46 4358.27,1041.34 4352.36,1047.24 ; 4352.36,1224.41 4346.46,1230.32 v1(4354.33,1238.19)
  Top w25: 4299.21,952.76 4312.99,966.54 4336.61,966.54 4350.39,980.32 ; 4352.36,1047.24 4352.36,1224.41
  Bottom w10: C43.1@4062.68,1181.1 v1(4084.65,1181.1)
  Bottom w12: C264.1@4110.24,1222.13 4110.24,1230.32 v1(4125.98,1230.32)
  Bottom w12.32: v1(4104.33,1238.19) v1@4110.24,1232.28 ; v1(4220.47,1238.19) v1@4222.44,1236.22 ; C282.1@4220.47,1307.09 4222.44,1309.06 C282.1@4228.35,1314.96 ; v1(4240.16,1234.25) v1@4224.41,1234.25 ; v1(4375.98,1025.59) C265.1@4403.85,1025.59 ; v1@4222.44,1236.22 ccw(c4224.41,1236.22) v1@4224.41,1234.25 ; v1@4222.44,1236.22 v1@4224.41,1234.25
  Bottom w16: C282.1@4222.44,1309.06 cw(c4228.35,1309.06) C282.1@4228.35,1314.96
  Bottom w23.62: v1@4222.44,1236.22 C282.1@4222.44,1309.06
  other v1: 4057.09,868.11 4072.83,879.92 3970.47,1021.65 3970.47,1047.24 4374.02,1238.19 4370.08,1303.15 4391.73,1303.15 4391.73,1332.68
V5.0$11: C89.1 D11.P2 J3.P1 R31.2 | length 230.8
  Top w10: J3.P1@4547.24,1688.67 J3.P1@4547.24,1690.94
  Top w16: R31.2@4490.16,1688.67 4547.24,1688.67 4575.9,1688.67 v1(4592.13,1672.44)
  Bottom w16: C89.1@4521.65,1707.68 4556.89,1672.44 v1(4592.13,1672.44) 4611.02,1653.54 D11.P2@4611.03,1645.47
V_POWER$2: C255.1 C262.1 R18.2 U17.7 | length 539
  Bottom w32: C255.1@3352.36,2694.88 3354.33,2696.85 3354.33,2740.16 3377.95,2763.78 3531.5,2763.78 3561.02,2734.25 C262.1@3561.03,2692.91
  Bottom w40: U17.7@3528.94,2601.97 3528.94,2660.83 C262.1@3561.03,2692.91 3566.93,2687.01 R18.2@3677.17,2687
V_POWER$24: C13.1 C30.1 R68.2 U1.7 | length 539
  Bottom w32: C30.1@2108.27,832.68 2106.3,834.65 2062.99,834.65 2039.37,858.27 2039.37,1011.81 2068.9,1041.34 C13.1@2110.24,1041.34
  Bottom w40: R68.2@2116.14,1157.48 2116.14,1047.24 C13.1@2110.24,1041.34 2142.32,1009.25 U1.7@2201.18,1009.25
VBUS$1: C81.1 C84.1 FB10.2 IC6.18 IC6.19 | length 341.4
  Top w10: IC6.18@1578.74,1007.88 IC6.19@1578.74,1027.56 1606.3,1027.56 C84.1@1606.3,1025.9 1640.07,1025.9 1641.14,1026.97 v1(1641.73,1027.56) 1641.73,1084.65 C81.1@1622.05,1104.34 C81.1@1622.05,1110.24
  Bottom w10: FB10.2@1620.08,1128.64 1599.11,1128.64 1584.65,1114.17 1584.65,1061.02 1618.11,1027.56 v1(1641.73,1027.56)
VBUS_DET$19: R15.1 U15.37 | length 89.3
  Top w10: R15.1@3163.39,875.67 3168.22,880.51 3169.29,880.51 3169.29,925.2 3163.39,931.1 U15.37@3163.38,959.45
VBUSF$17: C275.1 FB11.2 U11.2 | length 168.4
  Bottom w12: U11.2@52.16,2017.72 U11.2@53.15,2018.7
  Bottom w16: U11.2@53.15,2018.7 C275.1@53.15,2133.86 FB11.2@53.15,2185.72
VBUSF$20: C3.1 FB16.2 U24.2 | length 184.2
  Bottom w12: U24.2@52.16,1281.5 U24.2@53.15,1282.48
  Bottom w16: FB16.2@39.37,1451.47 C3.1@39.37,1397.64 52.17,1397.64 U24.2@52.16,1281.5
VCC1V1_SS$16: C270.1 U18.7 | length 36.4
  Top w10: U18.7@3966.54,916.34 3992.8,916.34 C270.1@4000,909.14